# Allegro board meta_module_lay_rev1.brd (continued)
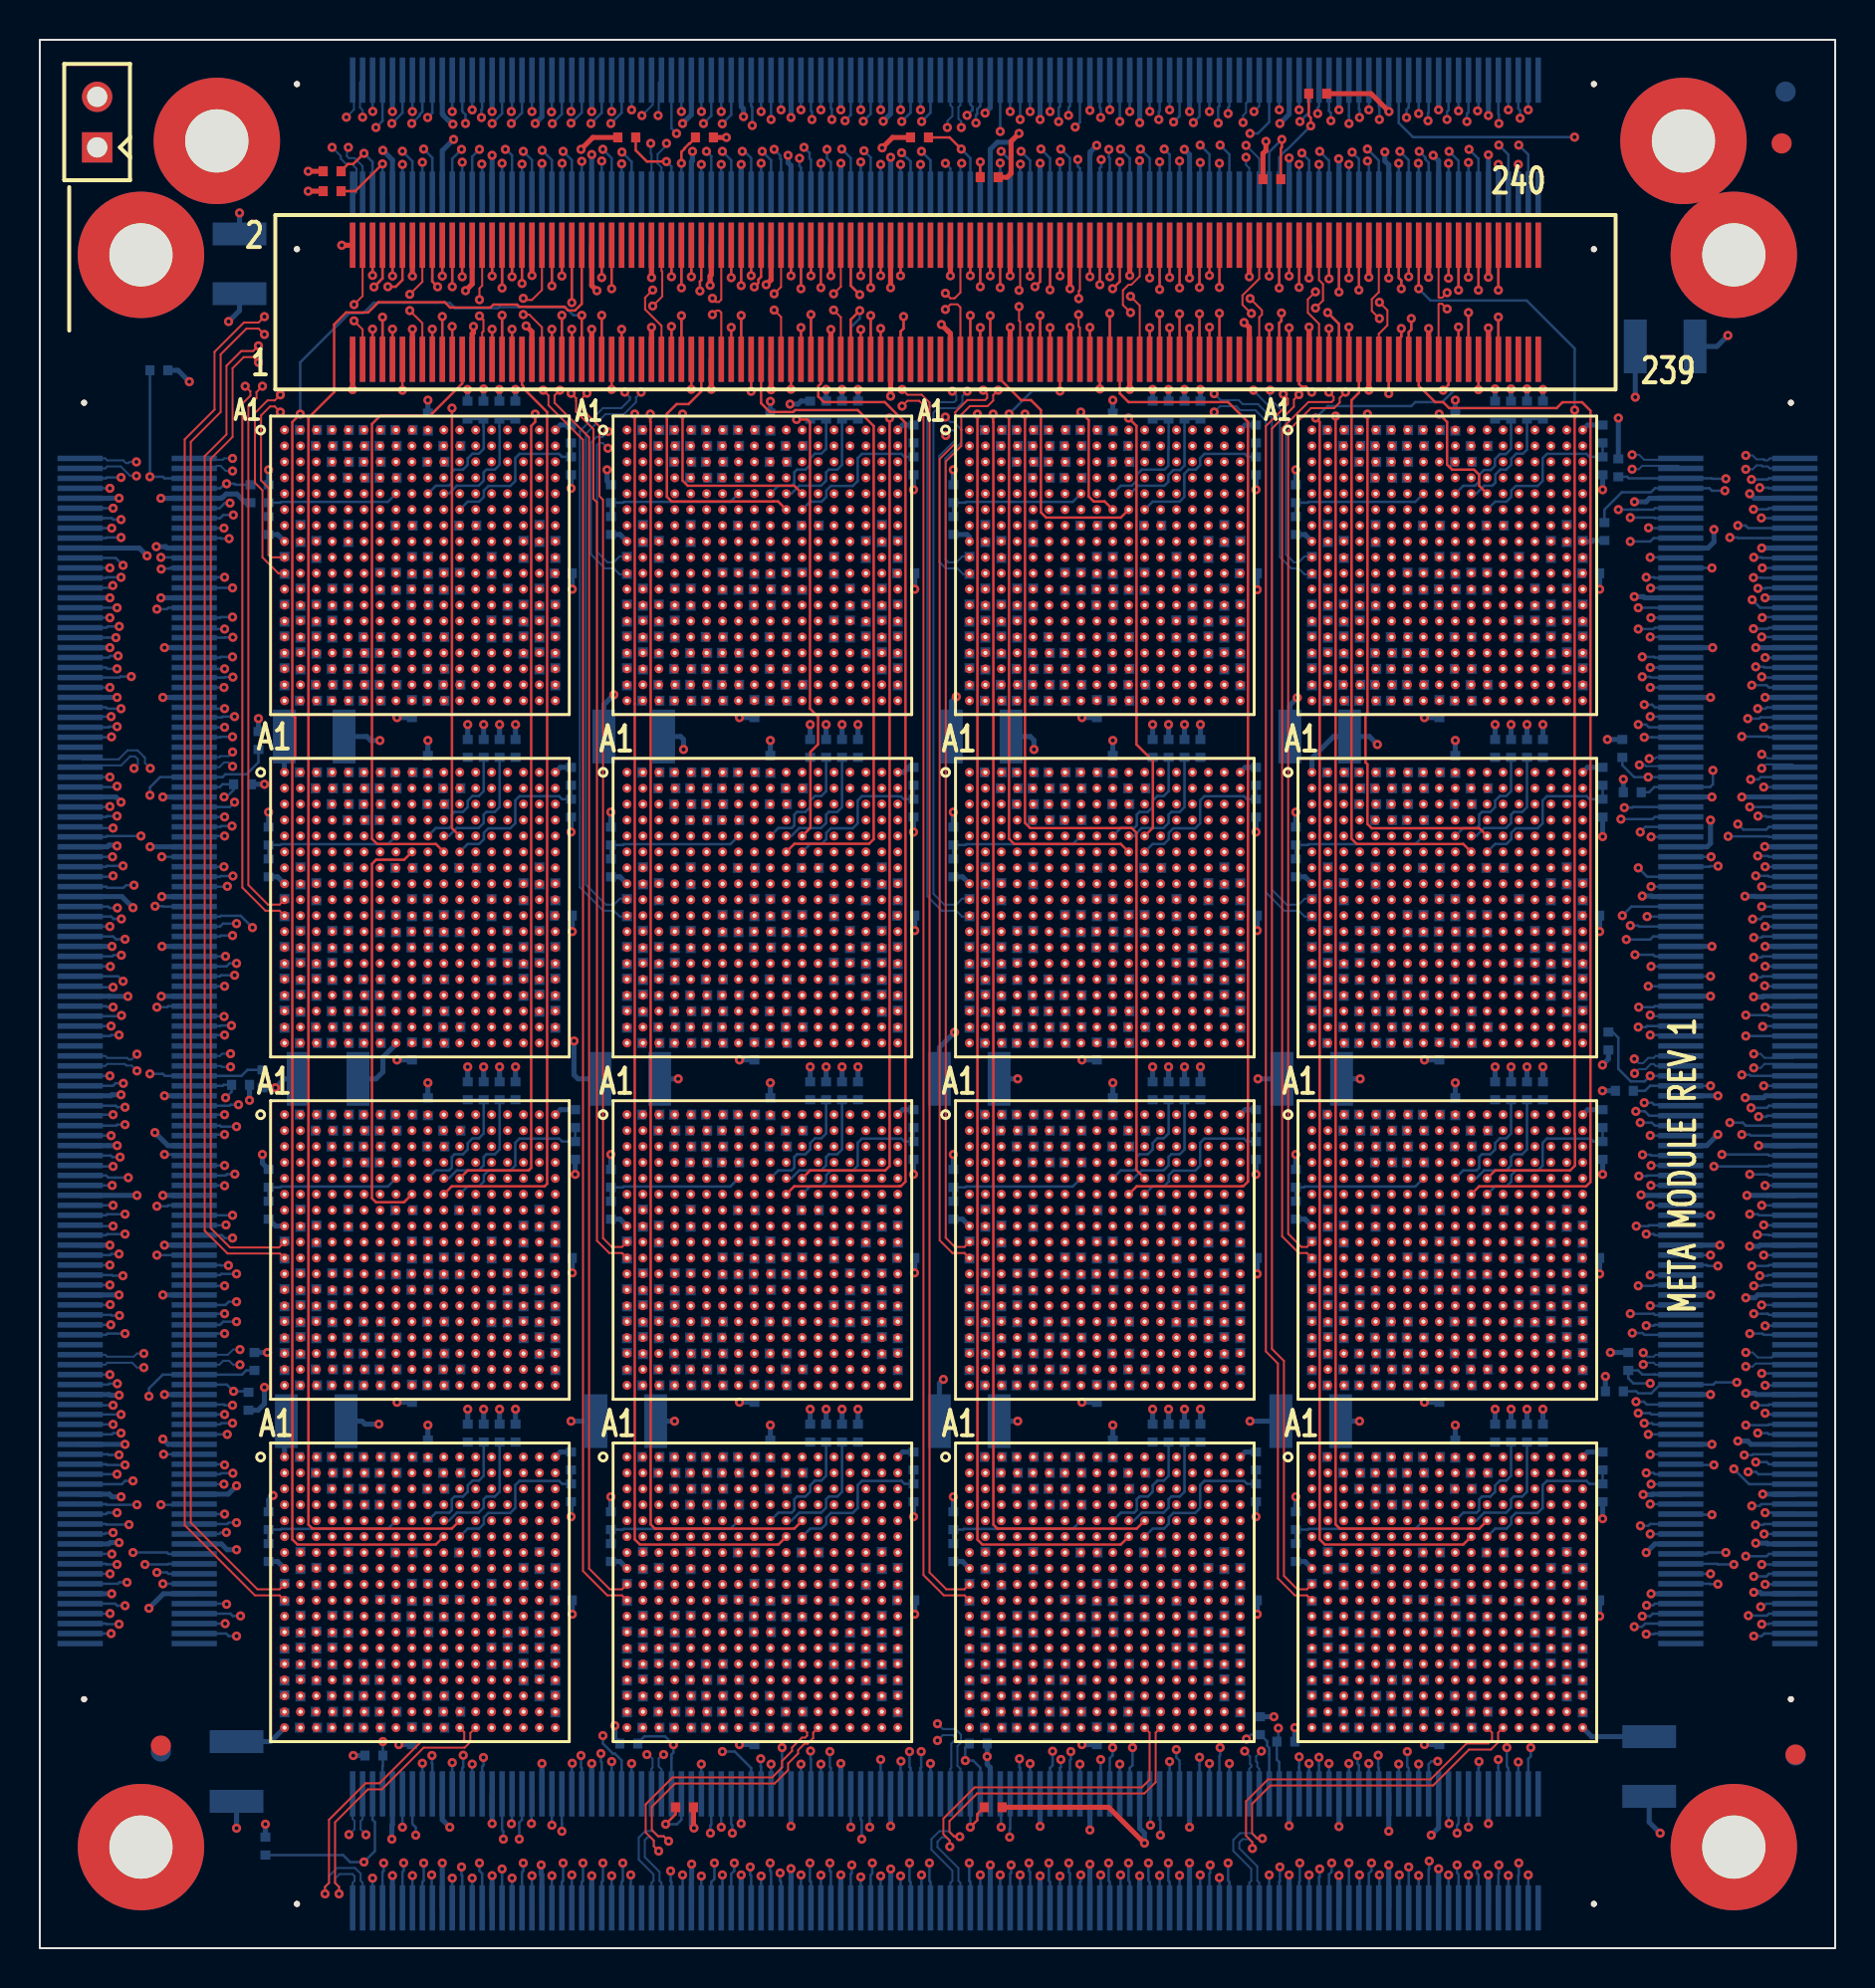
[diagram p0: board, top side]
## Nets (continued)
WE_DATA_N8_SNOW4-2: R412.2 U6.H4(WE_DATA_OUT_N0) U8.T18(EA_DATA_IN_N0)
WE_DATA_N8_SNOW4-3: R640.2 U10.H4(WE_DATA_OUT_N0) U12.T18(EA_DATA_IN_N0)
WE_DATA_N8_SNOW4-4: R868.2 U14.H4(WE_DATA_OUT_N0) U16.T18(EA_DATA_IN_N0)
WE_DATA_N9: R75.2 U2.R17(EA_DATA_IN_N1) U8.G3(WE_DATA_OUT_N1)
WE_DATA_N9_SNOW4-1: R186.2 U2.G3(WE_DATA_OUT_N1) U4.R17(EA_DATA_IN_N1)
WE_DATA_N9_SNOW4-2: R414.2 U6.G3(WE_DATA_OUT_N1) U8.R17(EA_DATA_IN_N1)
WE_DATA_N9_SNOW4-3: R642.2 U10.G3(WE_DATA_OUT_N1) U12.R17(EA_DATA_IN_N1)
WE_DATA_N9_SNOW4-4: R870.2 U14.G3(WE_DATA_OUT_N1) U16.R17(EA_DATA_IN_N1)
WE_DATA_N10: R73.2 U2.P16(EA_DATA_IN_N2) U8.F2(WE_DATA_OUT_N2)
WE_DATA_N10_SNOW4-1: R188.2 U2.F2(WE_DATA_OUT_N2) U4.P16(EA_DATA_IN_N2)
WE_DATA_N10_SNOW4-2: R416.2 U6.F2(WE_DATA_OUT_N2) U8.P16(EA_DATA_IN_N2)
WE_DATA_N10_SNOW4-3: R644.2 U10.F2(WE_DATA_OUT_N2) U12.P16(EA_DATA_IN_N2)
WE_DATA_N10_SNOW4-4: R872.2 U14.F2(WE_DATA_OUT_N2) U16.P16(EA_DATA_IN_N2)
WE_DATA_N11: R76.2 U2.N15(EA_DATA_IN_N3) U8.E1(WE_DATA_OUT_N3)
WE_DATA_N11_SNOW4-1: R190.2 U2.E1(WE_DATA_OUT_N3) U4.N15(EA_DATA_IN_N3)
WE_DATA_N11_SNOW4-2: R418.2 U6.E1(WE_DATA_OUT_N3) U8.N15(EA_DATA_IN_N3)
WE_DATA_N11_SNOW4-3: R646.2 U10.E1(WE_DATA_OUT_N3) U12.N15(EA_DATA_IN_N3)
WE_DATA_N11_SNOW4-4: R874.2 U14.E1(WE_DATA_OUT_N3) U16.N15(EA_DATA_IN_N3)
WE_DATA_N12: R78.2 U2.P18(EA_DATA_IN_N4) U8.F4(WE_DATA_OUT_N4)
WE_DATA_N12_SNOW4-1: R192.2 U2.F4(WE_DATA_OUT_N4) U4.P18(EA_DATA_IN_N4)
WE_DATA_N12_SNOW4-2: R420.2 U6.F4(WE_DATA_OUT_N4) U8.P18(EA_DATA_IN_N4)
WE_DATA_N12_SNOW4-3: R648.2 U10.F4(WE_DATA_OUT_N4) U12.P18(EA_DATA_IN_N4)
WE_DATA_N12_SNOW4-4: R876.2 U14.F4(WE_DATA_OUT_N4) U16.P18(EA_DATA_IN_N4)
WE_DATA_N13: R80.2 U2.N17(EA_DATA_IN_N5) U8.E3(WE_DATA_OUT_N5)
WE_DATA_N13_SNOW4-1: R194.2 U2.E3(WE_DATA_OUT_N5) U4.N17(EA_DATA_IN_N5)
WE_DATA_N13_SNOW4-2: R422.2 U6.E3(WE_DATA_OUT_N5) U8.N17(EA_DATA_IN_N5)
WE_DATA_N13_SNOW4-3: R650.2 U10.E3(WE_DATA_OUT_N5) U12.N17(EA_DATA_IN_N5)
WE_DATA_N13_SNOW4-4: R878.2 U14.E3(WE_DATA_OUT_N5) U16.N17(EA_DATA_IN_N5)
WE_DATA_N14: R71.2 U2.M16(EA_DATA_IN_N6) U8.D2(WE_DATA_OUT_N6)
WE_DATA_N14_SNOW4-1: R185.2 U2.D2(WE_DATA_OUT_N6) U4.M16(EA_DATA_IN_N6)
WE_DATA_N14_SNOW4-2: R413.2 U6.D2(WE_DATA_OUT_N6) U8.M16(EA_DATA_IN_N6)
WE_DATA_N14_SNOW4-3: R641.2 U10.D2(WE_DATA_OUT_N6) U12.M16(EA_DATA_IN_N6)
WE_DATA_N14_SNOW4-4: R869.2 U14.D2(WE_DATA_OUT_N6) U16.M16(EA_DATA_IN_N6)
WE_DATA_N15: R72.2 U2.L15(EA_DATA_IN_N7) U8.C1(WE_DATA_OUT_N7)
WE_DATA_N15_SNOW4-1: R187.2 U2.C1(WE_DATA_OUT_N7) U4.L15(EA_DATA_IN_N7)
WE_DATA_N15_SNOW4-2: R415.2 U6.C1(WE_DATA_OUT_N7) U8.L15(EA_DATA_IN_N7)
WE_DATA_N15_SNOW4-3: R643.2 U10.C1(WE_DATA_OUT_N7) U12.L15(EA_DATA_IN_N7)
WE_DATA_N15_SNOW4-4: R871.2 U14.C1(WE_DATA_OUT_N7) U16.L15(EA_DATA_IN_N7)
WE_DATA_N16: R469.2 U9.T18(EA_DATA_IN_N0) U15.H4(WE_DATA_OUT_N0)
WE_DATA_N17: R471.2 U9.R17(EA_DATA_IN_N1) U15.G3(WE_DATA_OUT_N1)
WE_DATA_N18: R473.2 U9.P16(EA_DATA_IN_N2) U15.F2(WE_DATA_OUT_N2)
WE_DATA_N19: R475.2 U9.N15(EA_DATA_IN_N3) U15.E1(WE_DATA_OUT_N3)
WE_DATA_N20: R477.2 U9.P18(EA_DATA_IN_N4) U15.F4(WE_DATA_OUT_N4)
WE_DATA_N21: R479.2 U9.N17(EA_DATA_IN_N5) U15.E3(WE_DATA_OUT_N5)
WE_DATA_N22: R470.2 U9.M16(EA_DATA_IN_N6) U15.D2(WE_DATA_OUT_N6)
WE_DATA_N23: R472.2 U9.L15(EA_DATA_IN_N7) U15.C1(WE_DATA_OUT_N7)
WE_DATA_N24: R526.2 U10.T18(EA_DATA_IN_N0) U16.H4(WE_DATA_OUT_N0)
WE_DATA_N25: R528.2 U10.R17(EA_DATA_IN_N1) U16.G3(WE_DATA_OUT_N1)
WE_DATA_N26: R530.2 U10.P16(EA_DATA_IN_N2) U16.F2(WE_DATA_OUT_N2)
WE_DATA_N27: R532.2 U10.N15(EA_DATA_IN_N3) U16.E1(WE_DATA_OUT_N3)
WE_DATA_N28: R534.2 U10.P18(EA_DATA_IN_N4) U16.F4(WE_DATA_OUT_N4)
WE_DATA_N29: R536.2 U10.N17(EA_DATA_IN_N5) U16.E3(WE_DATA_OUT_N5)
WE_DATA_N30: R527.2 U10.M16(EA_DATA_IN_N6) U16.D2(WE_DATA_OUT_N6)
WE_DATA_N31: R529.2 U10.L15(EA_DATA_IN_N7) U16.C1(WE_DATA_OUT_N7)
WE_DATA_OUT_N0: J6.22 U3.H4(WE_DATA_OUT_N0)
WE_DATA_OUT_N1: J6.26 U3.G3(WE_DATA_OUT_N1)
WE_DATA_OUT_N2: J6.32 U3.F2(WE_DATA_OUT_N2)
WE_DATA_OUT_N3: J6.36 U3.E1(WE_DATA_OUT_N3)
WE_DATA_OUT_N4: J6.42 U3.F4(WE_DATA_OUT_N4)
WE_DATA_OUT_N5: J6.46 U3.E3(WE_DATA_OUT_N5)
WE_DATA_OUT_N6: J6.52 U3.D2(WE_DATA_OUT_N6)
WE_DATA_OUT_N7: J6.56 U3.C1(WE_DATA_OUT_N7)
WE_DATA_OUT_N8: J6.82(22) U4.H4(WE_DATA_OUT_N0)
WE_DATA_OUT_N9: J6.86(26) U4.G3(WE_DATA_OUT_N1)
WE_DATA_OUT_N10: J6.92(32) U4.F2(WE_DATA_OUT_N2)
WE_DATA_OUT_N11: J6.96(36) U4.E1(WE_DATA_OUT_N3)
WE_DATA_OUT_N12: J6.102(42) U4.F4(WE_DATA_OUT_N4)
WE_DATA_OUT_N13: J6.106(46) U4.E3(WE_DATA_OUT_N5)
WE_DATA_OUT_N14: J6.112(52) U4.D2(WE_DATA_OUT_N6)
WE_DATA_OUT_N15: J6.116(56) U4.C1(WE_DATA_OUT_N7)
WE_DATA_OUT_N16: J6.142(22) U11.H4(WE_DATA_OUT_N0)
WE_DATA_OUT_N17: J6.146(26) U11.G3(WE_DATA_OUT_N1)
WE_DATA_OUT_N18: J6.152(32) U11.F2(WE_DATA_OUT_N2)
WE_DATA_OUT_N19: J6.156(36) U11.E1(WE_DATA_OUT_N3)
WE_DATA_OUT_N20: J6.162(42) U11.F4(WE_DATA_OUT_N4)
WE_DATA_OUT_N21: J6.166(46) U11.E3(WE_DATA_OUT_N5)
WE_DATA_OUT_N22: J6.172(52) U11.D2(WE_DATA_OUT_N6)
WE_DATA_OUT_N23: J6.176(56) U11.C1(WE_DATA_OUT_N7)
WE_DATA_OUT_N24: J6.202(22) U12.H4(WE_DATA_OUT_N0)
WE_DATA_OUT_N25: J6.206(26) U12.G3(WE_DATA_OUT_N1)
WE_DATA_OUT_N26: J6.212(32) U12.F2(WE_DATA_OUT_N2)
WE_DATA_OUT_N27: J6.216(36) U12.E1(WE_DATA_OUT_N3)
WE_DATA_OUT_N28: J6.222(42) U12.F4(WE_DATA_OUT_N4)
WE_DATA_OUT_N29: J6.226(46) U12.E3(WE_DATA_OUT_N5)
WE_DATA_OUT_N30: J6.232(52) U12.D2(WE_DATA_OUT_N6)
WE_DATA_OUT_N31: J6.236(56) U12.C1(WE_DATA_OUT_N7)
WE_DATA_OUT_P0: J6.24 U3.G4(WE_DATA_OUT_P0)
WE_DATA_OUT_P1: J6.28 U3.F3(WE_DATA_OUT_P1)
WE_DATA_OUT_P2: J6.34 U3.E2(WE_DATA_OUT_P2)
WE_DATA_OUT_P3: J6.38 U3.D1(WE_DATA_OUT_P3)
WE_DATA_OUT_P4: J6.44 U3.E4(WE_DATA_OUT_P4)
WE_DATA_OUT_P5: J6.48 U3.D3(WE_DATA_OUT_P5)
WE_DATA_OUT_P6: J6.54 U3.C2(WE_DATA_OUT_P6)
WE_DATA_OUT_P7: J6.58 U3.B1(WE_DATA_OUT_P7)
WE_DATA_OUT_P8: J6.84(24) U4.G4(WE_DATA_OUT_P0)
WE_DATA_OUT_P9: J6.88(28) U4.F3(WE_DATA_OUT_P1)
WE_DATA_OUT_P10: J6.94(34) U4.E2(WE_DATA_OUT_P2)
WE_DATA_OUT_P11: J6.98(38) U4.D1(WE_DATA_OUT_P3)
WE_DATA_OUT_P12: J6.104(44) U4.E4(WE_DATA_OUT_P4)
WE_DATA_OUT_P13: J6.108(48) U4.D3(WE_DATA_OUT_P5)
WE_DATA_OUT_P14: J6.114(54) U4.C2(WE_DATA_OUT_P6)
WE_DATA_OUT_P15: J6.118(58) U4.B1(WE_DATA_OUT_P7)
WE_DATA_OUT_P16: J6.144(24) U11.G4(WE_DATA_OUT_P0)
WE_DATA_OUT_P17: J6.148(28) U11.F3(WE_DATA_OUT_P1)
WE_DATA_OUT_P18: J6.154(34) U11.E2(WE_DATA_OUT_P2)
WE_DATA_OUT_P19: J6.158(38) U11.D1(WE_DATA_OUT_P3)
WE_DATA_OUT_P20: J6.164(44) U11.E4(WE_DATA_OUT_P4)
WE_DATA_OUT_P21: J6.168(48) U11.D3(WE_DATA_OUT_P5)
WE_DATA_OUT_P22: J6.174(54) U11.C2(WE_DATA_OUT_P6)
WE_DATA_OUT_P23: J6.178(58) U11.B1(WE_DATA_OUT_P7)
WE_DATA_OUT_P24: J6.204(24) U12.G4(WE_DATA_OUT_P0)
WE_DATA_OUT_P25: J6.208(28) U12.F3(WE_DATA_OUT_P1)
WE_DATA_OUT_P26: J6.214(34) U12.E2(WE_DATA_OUT_P2)
WE_DATA_OUT_P27: J6.218(38) U12.D1(WE_DATA_OUT_P3)
WE_DATA_OUT_P28: J6.224(44) U12.E4(WE_DATA_OUT_P4)
WE_DATA_OUT_P29: J6.228(48) U12.D3(WE_DATA_OUT_P5)
WE_DATA_OUT_P30: J6.234(54) U12.C2(WE_DATA_OUT_P6)
WE_DATA_OUT_P31: J6.238(58) U12.B1(WE_DATA_OUT_P7)
WE_DATA_P0: R13.1 U1.U18(EA_DATA_IN_P0) U7.G4(WE_DATA_OUT_P0)
WE_DATA_P0_SNOW4-1: R127.1 U1.G4(WE_DATA_OUT_P0) U3.U18(EA_DATA_IN_P0)
WE_DATA_P0_SNOW4-2: R355.1 U5.G4(WE_DATA_OUT_P0) U7.U18(EA_DATA_IN_P0)
WE_DATA_P0_SNOW4-3: R583.1 U9.G4(WE_DATA_OUT_P0) U11.U18(EA_DATA_IN_P0)
WE_DATA_P0_SNOW4-4: R811.1 U13.G4(WE_DATA_OUT_P0) U15.U18(EA_DATA_IN_P0)
WE_DATA_P1: R18.1 U1.T17(EA_DATA_IN_P1) U7.F3(WE_DATA_OUT_P1)
WE_DATA_P1_SNOW4-1: R129.1 U1.F3(WE_DATA_OUT_P1) U3.T17(EA_DATA_IN_P1)
WE_DATA_P1_SNOW4-2: R357.1 U5.F3(WE_DATA_OUT_P1) U7.T17(EA_DATA_IN_P1)
WE_DATA_P1_SNOW4-3: R585.1 U9.F3(WE_DATA_OUT_P1) U11.T17(EA_DATA_IN_P1)
WE_DATA_P1_SNOW4-4: R813.1 U13.F3(WE_DATA_OUT_P1) U15.T17(EA_DATA_IN_P1)
WE_DATA_P2: R16.1 U1.R16(EA_DATA_IN_P2) U7.E2(WE_DATA_OUT_P2)
WE_DATA_P2_SNOW4-1: R131.1 U1.E2(WE_DATA_OUT_P2) U3.R16(EA_DATA_IN_P2)
WE_DATA_P2_SNOW4-2: R359.1 U5.E2(WE_DATA_OUT_P2) U7.R16(EA_DATA_IN_P2)
WE_DATA_P2_SNOW4-3: R587.1 U9.E2(WE_DATA_OUT_P2) U11.R16(EA_DATA_IN_P2)
WE_DATA_P2_SNOW4-4: R815.1 U13.E2(WE_DATA_OUT_P2) U15.R16(EA_DATA_IN_P2)
WE_DATA_P3: R19.1 U1.P15(EA_DATA_IN_P3) U7.D1(WE_DATA_OUT_P3)
WE_DATA_P3_SNOW4-1: R133.1 U1.D1(WE_DATA_OUT_P3) U3.P15(EA_DATA_IN_P3)
WE_DATA_P3_SNOW4-2: R361.1 U5.D1(WE_DATA_OUT_P3) U7.P15(EA_DATA_IN_P3)
WE_DATA_P3_SNOW4-3: R589.1 U9.D1(WE_DATA_OUT_P3) U11.P15(EA_DATA_IN_P3)
WE_DATA_P3_SNOW4-4: R817.1 U13.D1(WE_DATA_OUT_P3) U15.P15(EA_DATA_IN_P3)
WE_DATA_P4: R21.1 U1.R18(EA_DATA_IN_P4) U7.E4(WE_DATA_OUT_P4)
WE_DATA_P4_SNOW4-1: R135.1 U1.E4(WE_DATA_OUT_P4) U3.R18(EA_DATA_IN_P4)
WE_DATA_P4_SNOW4-2: R363.1 U5.E4(WE_DATA_OUT_P4) U7.R18(EA_DATA_IN_P4)
WE_DATA_P4_SNOW4-3: R591.1 U9.E4(WE_DATA_OUT_P4) U11.R18(EA_DATA_IN_P4)
WE_DATA_P4_SNOW4-4: R819.1 U13.E4(WE_DATA_OUT_P4) U15.R18(EA_DATA_IN_P4)
WE_DATA_P5: R23.1 U1.P17(EA_DATA_IN_P5) U7.D3(WE_DATA_OUT_P5)
WE_DATA_P5_SNOW4-1: R137.1 U1.D3(WE_DATA_OUT_P5) U3.P17(EA_DATA_IN_P5)
WE_DATA_P5_SNOW4-2: R365.1 U5.D3(WE_DATA_OUT_P5) U7.P17(EA_DATA_IN_P5)
WE_DATA_P5_SNOW4-3: R593.1 U9.D3(WE_DATA_OUT_P5) U11.P17(EA_DATA_IN_P5)
WE_DATA_P5_SNOW4-4: R821.1 U13.D3(WE_DATA_OUT_P5) U15.P17(EA_DATA_IN_P5)
WE_DATA_P6: R14.1 U1.N16(EA_DATA_IN_P6) U7.C2(WE_DATA_OUT_P6)
WE_DATA_P6_SNOW4-1: R128.1 U1.C2(WE_DATA_OUT_P6) U3.N16(EA_DATA_IN_P6)
WE_DATA_P6_SNOW4-2: R356.1 U5.C2(WE_DATA_OUT_P6) U7.N16(EA_DATA_IN_P6)
WE_DATA_P6_SNOW4-3: R584.1 U9.C2(WE_DATA_OUT_P6) U11.N16(EA_DATA_IN_P6)
WE_DATA_P6_SNOW4-4: R812.1 U13.C2(WE_DATA_OUT_P6) U15.N16(EA_DATA_IN_P6)
WE_DATA_P7: R15.1 U1.M15(EA_DATA_IN_P7) U7.B1(WE_DATA_OUT_P7)
WE_DATA_P7_SNOW4-1: R130.1 U1.B1(WE_DATA_OUT_P7) U3.M15(EA_DATA_IN_P7)
WE_DATA_P7_SNOW4-2: R358.1 U5.B1(WE_DATA_OUT_P7) U7.M15(EA_DATA_IN_P7)
WE_DATA_P7_SNOW4-3: R586.1 U9.B1(WE_DATA_OUT_P7) U11.M15(EA_DATA_IN_P7)
WE_DATA_P7_SNOW4-4: R814.1 U13.B1(WE_DATA_OUT_P7) U15.M15(EA_DATA_IN_P7)
WE_DATA_P8: R70.1 U2.U18(EA_DATA_IN_P0) U8.G4(WE_DATA_OUT_P0)
WE_DATA_P8_SNOW4-1: R184.1 U2.G4(WE_DATA_OUT_P0) U4.U18(EA_DATA_IN_P0)
WE_DATA_P8_SNOW4-2: R412.1 U6.G4(WE_DATA_OUT_P0) U8.U18(EA_DATA_IN_P0)
WE_DATA_P8_SNOW4-3: R640.1 U10.G4(WE_DATA_OUT_P0) U12.U18(EA_DATA_IN_P0)
WE_DATA_P8_SNOW4-4: R868.1 U14.G4(WE_DATA_OUT_P0) U16.U18(EA_DATA_IN_P0)
WE_DATA_P9: R75.1 U2.T17(EA_DATA_IN_P1) U8.F3(WE_DATA_OUT_P1)
WE_DATA_P9_SNOW4-1: R186.1 U2.F3(WE_DATA_OUT_P1) U4.T17(EA_DATA_IN_P1)
WE_DATA_P9_SNOW4-2: R414.1 U6.F3(WE_DATA_OUT_P1) U8.T17(EA_DATA_IN_P1)
WE_DATA_P9_SNOW4-3: R642.1 U10.F3(WE_DATA_OUT_P1) U12.T17(EA_DATA_IN_P1)
WE_DATA_P9_SNOW4-4: R870.1 U14.F3(WE_DATA_OUT_P1) U16.T17(EA_DATA_IN_P1)
WE_DATA_P10: R73.1 U2.R16(EA_DATA_IN_P2) U8.E2(WE_DATA_OUT_P2)
WE_DATA_P10_SNOW4-1: R188.1 U2.E2(WE_DATA_OUT_P2) U4.R16(EA_DATA_IN_P2)
WE_DATA_P10_SNOW4-2: R416.1 U6.E2(WE_DATA_OUT_P2) U8.R16(EA_DATA_IN_P2)
WE_DATA_P10_SNOW4-3: R644.1 U10.E2(WE_DATA_OUT_P2) U12.R16(EA_DATA_IN_P2)
WE_DATA_P10_SNOW4-4: R872.1 U14.E2(WE_DATA_OUT_P2) U16.R16(EA_DATA_IN_P2)
WE_DATA_P11: R76.1 U2.P15(EA_DATA_IN_P3) U8.D1(WE_DATA_OUT_P3)
WE_DATA_P11_SNOW4-1: R190.1 U2.D1(WE_DATA_OUT_P3) U4.P15(EA_DATA_IN_P3)
WE_DATA_P11_SNOW4-2: R418.1 U6.D1(WE_DATA_OUT_P3) U8.P15(EA_DATA_IN_P3)
WE_DATA_P11_SNOW4-3: R646.1 U10.D1(WE_DATA_OUT_P3) U12.P15(EA_DATA_IN_P3)
WE_DATA_P11_SNOW4-4: R874.1 U14.D1(WE_DATA_OUT_P3) U16.P15(EA_DATA_IN_P3)
WE_DATA_P12: R78.1 U2.R18(EA_DATA_IN_P4) U8.E4(WE_DATA_OUT_P4)
WE_DATA_P12_SNOW4-1: R192.1 U2.E4(WE_DATA_OUT_P4) U4.R18(EA_DATA_IN_P4)
WE_DATA_P12_SNOW4-2: R420.1 U6.E4(WE_DATA_OUT_P4) U8.R18(EA_DATA_IN_P4)
WE_DATA_P12_SNOW4-3: R648.1 U10.E4(WE_DATA_OUT_P4) U12.R18(EA_DATA_IN_P4)
WE_DATA_P12_SNOW4-4: R876.1 U14.E4(WE_DATA_OUT_P4) U16.R18(EA_DATA_IN_P4)
WE_DATA_P13: R80.1 U2.P17(EA_DATA_IN_P5) U8.D3(WE_DATA_OUT_P5)
WE_DATA_P13_SNOW4-1: R194.1 U2.D3(WE_DATA_OUT_P5) U4.P17(EA_DATA_IN_P5)
WE_DATA_P13_SNOW4-2: R422.1 U6.D3(WE_DATA_OUT_P5) U8.P17(EA_DATA_IN_P5)
WE_DATA_P13_SNOW4-3: R650.1 U10.D3(WE_DATA_OUT_P5) U12.P17(EA_DATA_IN_P5)
WE_DATA_P13_SNOW4-4: R878.1 U14.D3(WE_DATA_OUT_P5) U16.P17(EA_DATA_IN_P5)
WE_DATA_P14: R71.1 U2.N16(EA_DATA_IN_P6) U8.C2(WE_DATA_OUT_P6)
WE_DATA_P14_SNOW4-1: R185.1 U2.C2(WE_DATA_OUT_P6) U4.N16(EA_DATA_IN_P6)
WE_DATA_P14_SNOW4-2: R413.1 U6.C2(WE_DATA_OUT_P6) U8.N16(EA_DATA_IN_P6)
WE_DATA_P14_SNOW4-3: R641.1 U10.C2(WE_DATA_OUT_P6) U12.N16(EA_DATA_IN_P6)
WE_DATA_P14_SNOW4-4: R869.1 U14.C2(WE_DATA_OUT_P6) U16.N16(EA_DATA_IN_P6)
WE_DATA_P15: R72.1 U2.M15(EA_DATA_IN_P7) U8.B1(WE_DATA_OUT_P7)
WE_DATA_P15_SNOW4-1: R187.1 U2.B1(WE_DATA_OUT_P7) U4.M15(EA_DATA_IN_P7)
WE_DATA_P15_SNOW4-2: R415.1 U6.B1(WE_DATA_OUT_P7) U8.M15(EA_DATA_IN_P7)
WE_DATA_P15_SNOW4-3: R643.1 U10.B1(WE_DATA_OUT_P7) U12.M15(EA_DATA_IN_P7)
WE_DATA_P15_SNOW4-4: R871.1 U14.B1(WE_DATA_OUT_P7) U16.M15(EA_DATA_IN_P7)
WE_DATA_P16: R469.1 U9.U18(EA_DATA_IN_P0) U15.G4(WE_DATA_OUT_P0)
WE_DATA_P17: R471.1 U9.T17(EA_DATA_IN_P1) U15.F3(WE_DATA_OUT_P1)
WE_DATA_P18: R473.1 U9.R16(EA_DATA_IN_P2) U15.E2(WE_DATA_OUT_P2)
WE_DATA_P19: R475.1 U9.P15(EA_DATA_IN_P3) U15.D1(WE_DATA_OUT_P3)
WE_DATA_P20: R477.1 U9.R18(EA_DATA_IN_P4) U15.E4(WE_DATA_OUT_P4)
WE_DATA_P21: R479.1 U9.P17(EA_DATA_IN_P5) U15.D3(WE_DATA_OUT_P5)
WE_DATA_P22: R470.1 U9.N16(EA_DATA_IN_P6) U15.C2(WE_DATA_OUT_P6)
WE_DATA_P23: R472.1 U9.M15(EA_DATA_IN_P7) U15.B1(WE_DATA_OUT_P7)
WE_DATA_P24: R526.1 U10.U18(EA_DATA_IN_P0) U16.G4(WE_DATA_OUT_P0)
WE_DATA_P25: R528.1 U10.T17(EA_DATA_IN_P1) U16.F3(WE_DATA_OUT_P1)
WE_DATA_P26: R530.1 U10.R16(EA_DATA_IN_P2) U16.E2(WE_DATA_OUT_P2)
WE_DATA_P27: R532.1 U10.P15(EA_DATA_IN_P3) U16.D1(WE_DATA_OUT_P3)
WE_DATA_P28: R534.1 U10.R18(EA_DATA_IN_P4) U16.E4(WE_DATA_OUT_P4)
WE_DATA_P29: R536.1 U10.P17(EA_DATA_IN_P5) U16.D3(WE_DATA_OUT_P5)
WE_DATA_P30: R527.1 U10.N16(EA_DATA_IN_P6) U16.C2(WE_DATA_OUT_P6)
WE_DATA_P31: R529.1 U10.M15(EA_DATA_IN_P7) U16.B1(WE_DATA_OUT_P7)
WE_FRAME_IN_N0: J6.5 R146.2 R1017.1 U3.M2(WE_FRAME_IN_N)
WE_FRAME_IN_N1: J6.65(5) R203.2 R1018.1 U4.M2(WE_FRAME_IN_N)
WE_FRAME_IN_N2: J6.125(5) R602.2 R1019.1 U11.M2(WE_FRAME_IN_N)
WE_FRAME_IN_N3: J6.185(5) R659.2 R1020.1 U12.M2(WE_FRAME_IN_N)
WE_FRAME_IN_P0: J6.7 R146.1 R1021.2 U3.L2(WE_FRAME_IN_P)
WE_FRAME_IN_P1: J6.67(7) R203.1 R1022.2 U4.L2(WE_FRAME_IN_P)
WE_FRAME_IN_P2: J6.127(7) R602.1 R1023.2 U11.L2(WE_FRAME_IN_P)
WE_FRAME_IN_P3: J6.187(7) R659.1 R1024.2 U12.L2(WE_FRAME_IN_P)
WE_FRAME_N0: R20.1 U1.M17(EA_FRAME_IN_P) U7.J4(WE_FRAME_OUT_P)
WE_FRAME_N0_SNOW4-1: R134.2 U1.K4(WE_FRAME_OUT_N) U3.L17(EA_FRAME_IN_N)
WE_FRAME_N0_SNOW4-2: R362.2 U5.K4(WE_FRAME_OUT_N) U7.L17(EA_FRAME_IN_N)
WE_FRAME_N0_SNOW4-3: R590.2 U9.K4(WE_FRAME_OUT_N) U11.L17(EA_FRAME_IN_N)
WE_FRAME_N0_SNOW4-4: R818.2 U13.K4(WE_FRAME_OUT_N) U15.L17(EA_FRAME_IN_N)
WE_FRAME_N1: R77.1 U2.M17(EA_FRAME_IN_P) U8.J4(WE_FRAME_OUT_P)
WE_FRAME_N1_SNOW4-1: R191.2 U2.K4(WE_FRAME_OUT_N) U4.L17(EA_FRAME_IN_N)
WE_FRAME_N1_SNOW4-2: R419.2 U6.K4(WE_FRAME_OUT_N) U8.L17(EA_FRAME_IN_N)
WE_FRAME_N1_SNOW4-3: R647.2 U10.K4(WE_FRAME_OUT_N) U12.L17(EA_FRAME_IN_N)
WE_FRAME_N1_SNOW4-4: R875.2 U14.K4(WE_FRAME_OUT_N) U16.L17(EA_FRAME_IN_N)
WE_FRAME_N2: R476.2 U9.L17(EA_FRAME_IN_N) U15.K4(WE_FRAME_OUT_N)
WE_FRAME_N3: R533.2 U10.L17(EA_FRAME_IN_N) U16.K4(WE_FRAME_OUT_N)
WE_FRAME_OUT_N0: J6.6 U3.K4(WE_FRAME_OUT_N)
WE_FRAME_OUT_N1: J6.66(6) U4.K4(WE_FRAME_OUT_N)
WE_FRAME_OUT_N2: J6.126(6) U11.K4(WE_FRAME_OUT_N)
WE_FRAME_OUT_N3: J6.186(6) U12.K4(WE_FRAME_OUT_N)
WE_FRAME_OUT_P0: J6.8 U3.J4(WE_FRAME_OUT_P)
WE_FRAME_OUT_P1: J6.68(8) U4.J4(WE_FRAME_OUT_P)
WE_FRAME_OUT_P2: J6.128(8) U11.J4(WE_FRAME_OUT_P)
WE_FRAME_OUT_P3: J6.188(8) U12.J4(WE_FRAME_OUT_P)
WE_FRAME_P0: R20.2 U1.L17(EA_FRAME_IN_N) U7.K4(WE_FRAME_OUT_N)
WE_FRAME_P0_SNOW4-1: R134.1 U1.J4(WE_FRAME_OUT_P) U3.M17(EA_FRAME_IN_P)
WE_FRAME_P0_SNOW4-2: R362.1 U5.J4(WE_FRAME_OUT_P) U7.M17(EA_FRAME_IN_P)
WE_FRAME_P0_SNOW4-3: R590.1 U9.J4(WE_FRAME_OUT_P) U11.M17(EA_FRAME_IN_P)
WE_FRAME_P0_SNOW4-4: R818.1 U13.J4(WE_FRAME_OUT_P) U15.M17(EA_FRAME_IN_P)
WE_FRAME_P1: R77.2 U2.L17(EA_FRAME_IN_N) U8.K4(WE_FRAME_OUT_N)
WE_FRAME_P1_SNOW4-1: R191.1 U2.J4(WE_FRAME_OUT_P) U4.M17(EA_FRAME_IN_P)
WE_FRAME_P1_SNOW4-2: R419.1 U6.J4(WE_FRAME_OUT_P) U8.M17(EA_FRAME_IN_P)
WE_FRAME_P1_SNOW4-3: R647.1 U10.J4(WE_FRAME_OUT_P) U12.M17(EA_FRAME_IN_P)
WE_FRAME_P1_SNOW4-4: R875.1 U14.J4(WE_FRAME_OUT_P) U16.M17(EA_FRAME_IN_P)
WE_FRAME_P2: R476.1 U9.M17(EA_FRAME_IN_P) U15.J4(WE_FRAME_OUT_P)
WE_FRAME_P3: R533.1 U10.M17(EA_FRAME_IN_P) U16.J4(WE_FRAME_OUT_P)
WE_LCLK_IN_N0: J6.1 R144.2 U3.N1(WE_LCLK_IN_N)
WE_LCLK_IN_N1: J6.61(1) R201.2 U4.N1(WE_LCLK_IN_N)
WE_LCLK_IN_N2: J6.121(1) R600.2 U11.N1(WE_LCLK_IN_N)
WE_LCLK_IN_N3: J6.181(1) R657.2 U12.N1(WE_LCLK_IN_N)
WE_LCLK_IN_P0: J6.3 R144.1 U3.M1(WE_LCLK_IN_P)
WE_LCLK_IN_P1: J6.63(3) R201.1 U4.M1(WE_LCLK_IN_P)
WE_LCLK_IN_P2: J6.123(3) R600.1 U11.M1(WE_LCLK_IN_P)
WE_LCLK_IN_P3: J6.183(3) R657.1 U12.M1(WE_LCLK_IN_P)
WE_LCLK_N0: R17.2 U1.M18(EA_LCLK_IN_N) U7.G1(WE_LCLK_OUT_N)
WE_LCLK_N0_SNOW4-1: R132.2 U1.G1(WE_LCLK_OUT_N) U3.M18(EA_LCLK_IN_N)
WE_LCLK_N0_SNOW4-2: R360.2 U5.G1(WE_LCLK_OUT_N) U7.M18(EA_LCLK_IN_N)
WE_LCLK_N0_SNOW4-3: R588.2 U9.G1(WE_LCLK_OUT_N) U11.M18(EA_LCLK_IN_N)
WE_LCLK_N0_SNOW4-4: R816.2 U13.G1(WE_LCLK_OUT_N) U15.M18(EA_LCLK_IN_N)
WE_LCLK_N1: R74.2 U2.M18(EA_LCLK_IN_N) U8.G1(WE_LCLK_OUT_N)
WE_LCLK_N1_SNOW4-1: R189.2 U2.G1(WE_LCLK_OUT_N) U4.M18(EA_LCLK_IN_N)
WE_LCLK_N1_SNOW4-2: R417.2 U6.G1(WE_LCLK_OUT_N) U8.M18(EA_LCLK_IN_N)
WE_LCLK_N1_SNOW4-3: R645.2 U10.G1(WE_LCLK_OUT_N) U12.M18(EA_LCLK_IN_N)
WE_LCLK_N1_SNOW4-4: R873.2 U14.G1(WE_LCLK_OUT_N) U16.M18(EA_LCLK_IN_N)
WE_LCLK_N2: R474.2 U9.M18(EA_LCLK_IN_N) U15.G1(WE_LCLK_OUT_N)
WE_LCLK_N3: R531.2 U10.M18(EA_LCLK_IN_N) U16.G1(WE_LCLK_OUT_N)
WE_LCLK_OUT_N0: J6.2 U3.G1(WE_LCLK_OUT_N)
WE_LCLK_OUT_N1: J6.62(2) U4.G1(WE_LCLK_OUT_N)
WE_LCLK_OUT_N2: J6.122(2) U11.G1(WE_LCLK_OUT_N)
WE_LCLK_OUT_N3: J6.182(2) U12.G1(WE_LCLK_OUT_N)
WE_LCLK_OUT_P0: J6.4 U3.F1(WE_LCLK_OUT_P)
WE_LCLK_OUT_P1: J6.64(4) U4.F1(WE_LCLK_OUT_P)
WE_LCLK_OUT_P2: J6.124(4) U11.F1(WE_LCLK_OUT_P)
WE_LCLK_OUT_P3: J6.184(4) U12.F1(WE_LCLK_OUT_P)
WE_LCLK_P0: R17.1 U1.N18(EA_LCLK_IN_P) U7.F1(WE_LCLK_OUT_P)
WE_LCLK_P0_SNOW4-1: R132.1 U1.F1(WE_LCLK_OUT_P) U3.N18(EA_LCLK_IN_P)
WE_LCLK_P0_SNOW4-2: R360.1 U5.F1(WE_LCLK_OUT_P) U7.N18(EA_LCLK_IN_P)
WE_LCLK_P0_SNOW4-3: R588.1 U9.F1(WE_LCLK_OUT_P) U11.N18(EA_LCLK_IN_P)
WE_LCLK_P0_SNOW4-4: R816.1 U13.F1(WE_LCLK_OUT_P) U15.N18(EA_LCLK_IN_P)
WE_LCLK_P1: R74.1 U2.N18(EA_LCLK_IN_P) U8.F1(WE_LCLK_OUT_P)
WE_LCLK_P1_SNOW4-1: R189.1 U2.F1(WE_LCLK_OUT_P) U4.N18(EA_LCLK_IN_P)
WE_LCLK_P1_SNOW4-2: R417.1 U6.F1(WE_LCLK_OUT_P) U8.N18(EA_LCLK_IN_P)
WE_LCLK_P1_SNOW4-3: R645.1 U10.F1(WE_LCLK_OUT_P) U12.N18(EA_LCLK_IN_P)
WE_LCLK_P1_SNOW4-4: R873.1 U14.F1(WE_LCLK_OUT_P) U16.N18(EA_LCLK_IN_P)
WE_LCLK_P2: R474.1 U9.N18(EA_LCLK_IN_P) U15.F1(WE_LCLK_OUT_P)
WE_LCLK_P3: R531.1 U10.N18(EA_LCLK_IN_P) U16.F1(WE_LCLK_OUT_P)
WE_WAIT_RD_IN_N0: J6.16 R148.2 U3.H2(WE_WAIT_RD_IN_N)
WE_WAIT_RD_IN_N1: J6.76(16) R205.2 U4.H2(WE_WAIT_RD_IN_N)
WE_WAIT_RD_IN_N2: J6.136(16) R604.2 U11.H2(WE_WAIT_RD_IN_N)
WE_WAIT_RD_IN_N3: J6.196(16) R661.2 U12.H2(WE_WAIT_RD_IN_N)
WE_WAIT_RD_IN_P0: J6.18 R148.1 U3.G2(WE_WAIT_RD_IN_P)
WE_WAIT_RD_IN_P1: J6.78(18) R205.1 U4.G2(WE_WAIT_RD_IN_P)
WE_WAIT_RD_IN_P2: J6.138(18) R604.1 U11.G2(WE_WAIT_RD_IN_P)
WE_WAIT_RD_IN_P3: J6.198(18) R661.1 U12.G2(WE_WAIT_RD_IN_P)
WE_WAIT_RD_N0: R22.2 U1.G17(EA_WAIT_RD_IN_N) U7.K2(WE_WAIT_RD_OUT_N)
WE_WAIT_RD_N0_SNOW4-1: R136.2 U1.K2(WE_WAIT_RD_OUT_N) U3.G17(EA_WAIT_RD_IN_N)
WE_WAIT_RD_N0_SNOW4-2: R364.2 U5.K2(WE_WAIT_RD_OUT_N) U7.G17(EA_WAIT_RD_IN_N)
WE_WAIT_RD_N0_SNOW4-3: R592.2 U9.K2(WE_WAIT_RD_OUT_N) U11.G17(EA_WAIT_RD_IN_N)
WE_WAIT_RD_N0_SNOW4-4: R820.2 U13.K2(WE_WAIT_RD_OUT_N) U15.G17(EA_WAIT_RD_IN_N)
WE_WAIT_RD_N1: R79.2 U2.G17(EA_WAIT_RD_IN_N) U8.K2(WE_WAIT_RD_OUT_N)
WE_WAIT_RD_N1_SNOW4-1: R193.2 U2.K2(WE_WAIT_RD_OUT_N) U4.G17(EA_WAIT_RD_IN_N)
WE_WAIT_RD_N1_SNOW4-2: R421.2 U6.K2(WE_WAIT_RD_OUT_N) U8.G17(EA_WAIT_RD_IN_N)
WE_WAIT_RD_N1_SNOW4-3: R649.2 U10.K2(WE_WAIT_RD_OUT_N) U12.G17(EA_WAIT_RD_IN_N)
WE_WAIT_RD_N1_SNOW4-4: R877.2 U14.K2(WE_WAIT_RD_OUT_N) U16.G17(EA_WAIT_RD_IN_N)
WE_WAIT_RD_N2: R478.2 U9.G17(EA_WAIT_RD_IN_N) U15.K2(WE_WAIT_RD_OUT_N)
WE_WAIT_RD_N3: R535.2 U10.G17(EA_WAIT_RD_IN_N) U16.K2(WE_WAIT_RD_OUT_N)
WE_WAIT_RD_OUT_N0: J6.15 U3.K2(WE_WAIT_RD_OUT_N)
WE_WAIT_RD_OUT_N1: J6.75(15) U4.K2(WE_WAIT_RD_OUT_N)
WE_WAIT_RD_OUT_N2: J6.135(15) U11.K2(WE_WAIT_RD_OUT_N)
WE_WAIT_RD_OUT_N3: J6.195(15) U12.K2(WE_WAIT_RD_OUT_N)
WE_WAIT_RD_OUT_P0: J6.17 U3.J2(WE_WAIT_RD_OUT_P)
WE_WAIT_RD_OUT_P1: J6.77(17) U4.J2(WE_WAIT_RD_OUT_P)
WE_WAIT_RD_OUT_P2: J6.137(17) U11.J2(WE_WAIT_RD_OUT_P)
WE_WAIT_RD_OUT_P3: J6.197(17) U12.J2(WE_WAIT_RD_OUT_P)
WE_WAIT_RD_P0: R22.1 U1.H17(EA_WAIT_RD_IN_P) U7.J2(WE_WAIT_RD_OUT_P)
WE_WAIT_RD_P0_SNOW4-1: R136.1 U1.J2(WE_WAIT_RD_OUT_P) U3.H17(EA_WAIT_RD_IN_P)
WE_WAIT_RD_P0_SNOW4-2: R364.1 U5.J2(WE_WAIT_RD_OUT_P) U7.H17(EA_WAIT_RD_IN_P)
WE_WAIT_RD_P0_SNOW4-3: R592.1 U9.J2(WE_WAIT_RD_OUT_P) U11.H17(EA_WAIT_RD_IN_P)
WE_WAIT_RD_P0_SNOW4-4: R820.1 U13.J2(WE_WAIT_RD_OUT_P) U15.H17(EA_WAIT_RD_IN_P)
WE_WAIT_RD_P1: R79.1 U2.H17(EA_WAIT_RD_IN_P) U8.J2(WE_WAIT_RD_OUT_P)
WE_WAIT_RD_P1_SNOW4-1: R193.1 U2.J2(WE_WAIT_RD_OUT_P) U4.H17(EA_WAIT_RD_IN_P)
WE_WAIT_RD_P1_SNOW4-2: R421.1 U6.J2(WE_WAIT_RD_OUT_P) U8.H17(EA_WAIT_RD_IN_P)
WE_WAIT_RD_P1_SNOW4-3: R649.1 U10.J2(WE_WAIT_RD_OUT_P) U12.H17(EA_WAIT_RD_IN_P)
WE_WAIT_RD_P1_SNOW4-4: R877.1 U14.J2(WE_WAIT_RD_OUT_P) U16.H17(EA_WAIT_RD_IN_P)
WE_WAIT_RD_P2: R478.1 U9.H17(EA_WAIT_RD_IN_P) U15.J2(WE_WAIT_RD_OUT_P)
WE_WAIT_RD_P3: R535.1 U10.H17(EA_WAIT_RD_IN_P) U16.J2(WE_WAIT_RD_OUT_P)
WE_WAIT_WR_IN_N0: J6.12 R150.2 U3.J3(WE_WAIT_WR_IN_N)
WE_WAIT_WR_IN_N1: J6.72(12) R207.2 U4.J3(WE_WAIT_WR_IN_N)
WE_WAIT_WR_IN_N2: J6.132(12) R606.2 U11.J3(WE_WAIT_WR_IN_N)
WE_WAIT_WR_IN_N3: J6.192(12) R663.2 U12.J3(WE_WAIT_WR_IN_N)
WE_WAIT_WR_IN_P0: J6.14 R150.1 U3.H3(WE_WAIT_WR_IN_P)
WE_WAIT_WR_IN_P1: J6.74(14) R207.1 U4.H3(WE_WAIT_WR_IN_P)
WE_WAIT_WR_IN_P2: J6.134(14) R606.1 U11.H3(WE_WAIT_WR_IN_P)
WE_WAIT_WR_IN_P3: J6.194(14) R663.1 U12.H3(WE_WAIT_WR_IN_P)
WE_WAIT_WR_N0: R24.2 U1.H16(EA_WAIT_WR_IN_N) U7.L3(WE_WAIT_WR_OUT_N)
WE_WAIT_WR_N0_SNOW4-1: R138.2 U1.L3(WE_WAIT_WR_OUT_N) U3.H16(EA_WAIT_WR_IN_N)
WE_WAIT_WR_N0_SNOW4-2: R366.2 U5.L3(WE_WAIT_WR_OUT_N) U7.H16(EA_WAIT_WR_IN_N)
WE_WAIT_WR_N0_SNOW4-3: R594.2 U9.L3(WE_WAIT_WR_OUT_N) U11.H16(EA_WAIT_WR_IN_N)
WE_WAIT_WR_N0_SNOW4-4: R822.2 U13.L3(WE_WAIT_WR_OUT_N) U15.H16(EA_WAIT_WR_IN_N)
WE_WAIT_WR_N1: R81.2 U2.H16(EA_WAIT_WR_IN_N) U8.L3(WE_WAIT_WR_OUT_N)
WE_WAIT_WR_N1_SNOW4-1: R195.2 U2.L3(WE_WAIT_WR_OUT_N) U4.H16(EA_WAIT_WR_IN_N)
WE_WAIT_WR_N1_SNOW4-2: R423.2 U6.L3(WE_WAIT_WR_OUT_N) U8.H16(EA_WAIT_WR_IN_N)
WE_WAIT_WR_N1_SNOW4-3: R651.2 U10.L3(WE_WAIT_WR_OUT_N) U12.H16(EA_WAIT_WR_IN_N)
WE_WAIT_WR_N1_SNOW4-4: R879.2 U14.L3(WE_WAIT_WR_OUT_N) U16.H16(EA_WAIT_WR_IN_N)
WE_WAIT_WR_N2: R480.2 U9.H16(EA_WAIT_WR_IN_N) U15.L3(WE_WAIT_WR_OUT_N)
WE_WAIT_WR_N3: R537.2 U10.H16(EA_WAIT_WR_IN_N) U16.L3(WE_WAIT_WR_OUT_N)
WE_WAIT_WR_OUT_N0: J6.11 U3.L3(WE_WAIT_WR_OUT_N)
WE_WAIT_WR_OUT_N1: J6.71(11) U4.L3(WE_WAIT_WR_OUT_N)
WE_WAIT_WR_OUT_N2: J6.131(11) U11.L3(WE_WAIT_WR_OUT_N)
WE_WAIT_WR_OUT_N3: J6.191(11) U12.L3(WE_WAIT_WR_OUT_N)
WE_WAIT_WR_OUT_P0: J6.13 U3.K3(WE_WAIT_WR_OUT_P)
WE_WAIT_WR_OUT_P1: J6.73(13) U4.K3(WE_WAIT_WR_OUT_P)
WE_WAIT_WR_OUT_P2: J6.133(13) U11.K3(WE_WAIT_WR_OUT_P)
WE_WAIT_WR_OUT_P3: J6.193(13) U12.K3(WE_WAIT_WR_OUT_P)
WE_WAIT_WR_P0: R24.1 U1.J16(EA_WAIT_WR_IN_P) U7.K3(WE_WAIT_WR_OUT_P)
WE_WAIT_WR_P0_SNOW4-1: R138.1 U1.K3(WE_WAIT_WR_OUT_P) U3.J16(EA_WAIT_WR_IN_P)
WE_WAIT_WR_P0_SNOW4-2: R366.1 U5.K3(WE_WAIT_WR_OUT_P) U7.J16(EA_WAIT_WR_IN_P)
WE_WAIT_WR_P0_SNOW4-3: R594.1 U9.K3(WE_WAIT_WR_OUT_P) U11.J16(EA_WAIT_WR_IN_P)
WE_WAIT_WR_P0_SNOW4-4: R822.1 U13.K3(WE_WAIT_WR_OUT_P) U15.J16(EA_WAIT_WR_IN_P)
WE_WAIT_WR_P1: R81.1 U2.J16(EA_WAIT_WR_IN_P) U8.K3(WE_WAIT_WR_OUT_P)
WE_WAIT_WR_P1_SNOW4-1: R195.1 U2.K3(WE_WAIT_WR_OUT_P) U4.J16(EA_WAIT_WR_IN_P)
WE_WAIT_WR_P1_SNOW4-2: R423.1 U6.K3(WE_WAIT_WR_OUT_P) U8.J16(EA_WAIT_WR_IN_P)
WE_WAIT_WR_P1_SNOW4-3: R651.1 U10.K3(WE_WAIT_WR_OUT_P) U12.J16(EA_WAIT_WR_IN_P)
WE_WAIT_WR_P1_SNOW4-4: R879.1 U14.K3(WE_WAIT_WR_OUT_P) U16.J16(EA_WAIT_WR_IN_P)
WE_WAIT_WR_P2: R480.1 U9.J16(EA_WAIT_WR_IN_P) U15.K3(WE_WAIT_WR_OUT_P)
WE_WAIT_WR_P3: R537.1 U10.J16(EA_WAIT_WR_IN_P) U16.K3(WE_WAIT_WR_OUT_P)
N8956388: J18.141(21)

Pads without a net: J16 56 57 58 59 60 113 114 115 116 117 118 119 120 177 178 179 180 233 234 235 236 237 238 239 240; J18 1 2 3 4 5 6 7 8 13 14 21 22 25 26 33 34 37 38 45 46 49 50 57 58 61 62 63 64 65 66 67 68 73 74 81 82 85 86 93 94 97 98 105 106 109 110 117 118 121 122 123 124 125 126 127 128 133 134 142 145 146 153 154 157 158 165 166 169 170 177 178 181 182 183 184 185 186 187 188 193 194 201 202 205 206 213 214 217 218 225 226 229 230 237 238

## Via types
v1: diameter 0.46, hole 0.203, TOP to BOTTOM, 1379 vias
